# Altium PCB AMC_Box_Mainboard.PcbDoc (part 4 of 8)
Units mil, origin at the board's own origin, x right, y up, seen from the top; angles counter-clockwise.
Board outline 2795.28 x 7874.02 mil, 4 copper layers (TOP, GND, PWR, BTM), stack 63.701 mil thick; 505 components, 378 nets, 1991 pads, 997 vias.
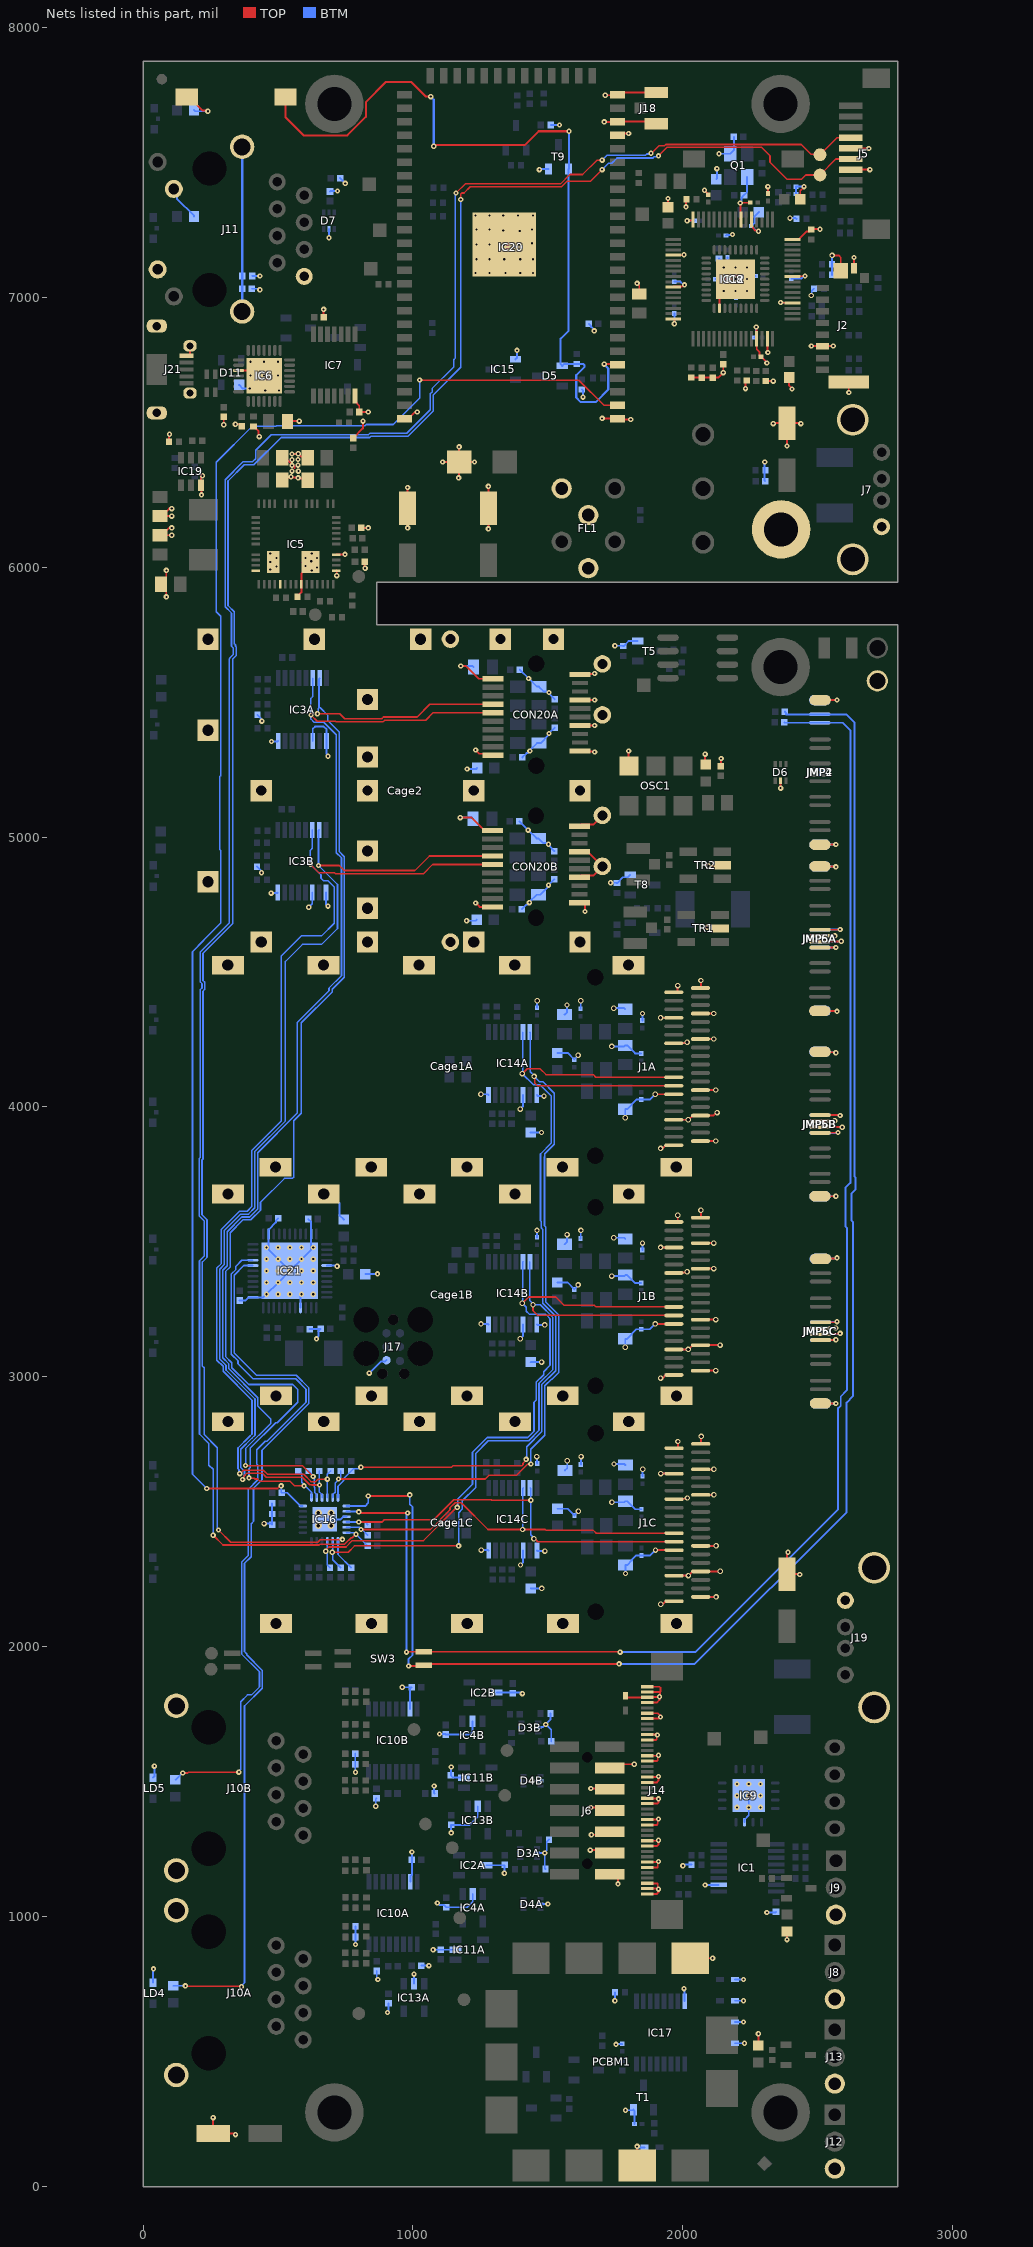
[diagram p6: the nets of this part, all layers, seen from the top]

## Via types
v1: diameter 19.68, hole 7.87, TOP to BTM, tented both sides, 751 vias
v2: diameter 20.08, hole 11.81, TOP to BTM, tented both sides, 162 vias
v3: diameter 19.68, hole 7.87, TOP to BTM, 43 vias
v4: diameter 31.5, hole 15.75, TOP to BTM, tented both sides, 36 vias
v5: diameter 25.98, hole 12.99, TOP to BTM, tented both sides, 4 vias
v6: diameter 50, hole 28, TOP to BTM, tented both sides, 1 vias

## Nets (pads, with @x,y where several pads share a name; then routed paths per layer and width w, separated by ;. In a path a pad name is that pad's centre, name@x,y a point inside that pad or via, vN(x,y) a via of type N, cw(c..) or ccw(c..) an arc to the next point about the centre after c; other vN are vias at no path point) (continued)
GND: B12.1 B18.1 C1.1 C2.2 C3.1 C4.1 C6A.1 C6B.1 C7A.1 C7B.1 C8A.1 C8B.1 C9A.1 C9B.1 C10.1 C11.2 C12.1 C13.2 C14.2 C15A.2 C15B.2 C15C.2 C16A.2 C16B.2 C16C.2 C19.1 C20.1 C21.1 C22.1 C23.1 C24.2 C25A.1 C25B.1 C25C.1 C26.2 C27.1 C28.1 C31.1 C32.1 C33A.1 C33B.1 C33C.1 C34A.2 C34B.2 C34C.2 C35A.2 C35B.2 C35C.2 C36A.2 C36B.2 C36C.2 C37A.2 C37B.2 C37C.2 C38A.2 C38B.2 C38C.2 C39A.2 C39B.2 C39C.2 C40A.2 C40B.2 C40C.2 C41A.2 C41B.2 C41C.2 C42.1 C43.2 C44.1 C45A.2 C45B.2 C46A.2 C46B.2 C47A.2 C47B.2 C48A.1 C48B.1 C49A.2 C49B.2 C50A.2 C50B.2 C51A.2 C51B.2 C52A.2 C52B.2 C53.1 C54.1 C55.1 C56.1 C57.1 C58.1 C59.1 C60.1 C61.1 C64.1 C65.1 C66.1 C67A.1 C67B.1 C68.1 C69.1 C72A.2 C72B.2 C73.1 C78.1 C79.1 C80.1 C81.1 C83.1 C88A.2 C88B.2 C93.1 C94.1 C97.1 C98.2 C99.2 C100.1 C101.1 C102.1 C103.1 C104.1 C105.1 C106.1 C107.1 C108.1 C109.1 C110.1 C113.1 C114.1 C115.1 C116.2 C117.1 C118.2 C175.1 Cage1A.1 Cage1A.2 Cage1A.3 Cage1A.4 Cage1A.5 Cage1A.6 Cage1A.7 Cage1A.8 Cage1A.9 Cage1A.10 Cage1B.1 Cage1B.2 Cage1B.3 Cage1B.4 Cage1B.5 Cage1B.6 Cage1B.7 Cage1B.8 Cage1B.9 Cage1B.10 Cage1C.1 Cage1C.2 Cage1C.3 Cage1C.4 Cage1C.5 Cage1C.6 Cage1C.7 Cage1C.8 Cage1C.9 Cage1C.10 Cage2.1 Cage2.2 Cage2.3 Cage2.4 Cage2.5 Cage2.6 Cage2.7 Cage2.8 Cage2.9 Cage2.10 Cage2.11 Cage2.12 Cage2.13 Cage2.14 Cage2.15 Cage2.16 Cage2.17 Cage2.18 Cage2.19 Cage2.20 Cage2.21 Cage2.22 Cage2.23 Cage2.24 Cage2.25 CON20A.1 CON20A.10 CON20A.11 CON20A.14 CON20A.17 CON20A.20 CON20B.1 CON20B.10 CON20B.11 CON20B.14 CON20B.17 CON20B.20 D3A.2 D3B.2 D4A.2 D4B.2 D6.2 D7.2 D9.2 D11.1 D15.2 D16.2 D17.2 D18.2 D19.2 D20.2 FL1.4 IC1.10 IC2A.2 IC2B.2 IC3A.1 IC3A.3 IC3A.8 IC3B.1 IC3B.3 IC3B.8 IC4A.2 IC4B.2 IC5.26 IC5.31 IC5.35 IC5.42 IC5.45 IC5.53 IC5.54 IC6.3 IC6.29 IC7.7 IC8.11 IC8.37 IC9.7 IC9.17 IC10A.15 IC10B.15 IC11A.2 IC11B.2 IC12.4 IC12.10 IC12.16 IC12.29 IC12.31 IC12.36 IC12.41 IC12.48 IC12.53 IC12.55 IC12.64 IC13A.2 IC13B.2 IC14A.1 IC14A.3 IC14A.8 IC14B.1 IC14B.3 IC14B.8 IC14C.1 IC14C.3 IC14C.8 IC15.1 IC16.9 IC16.25 IC17.8 IC19.3 IC20.GND1 IC20.GND2 IC20.GND3 IC20.GND4 IC20.GND5 IC20.GND6 IC21.5 IC21.15 IC21.23 IC21.35 IC21.43 IC21.45 J1A.1 J1A.4 J1A.7 J1A.13 J1A.16 J1A.19 J1A.20 J1A.23 J1A.26 J1A.32 J1A.35 J1A.38 J1B.1 J1B.4 J1B.7 J1B.13 J1B.16 J1B.19 J1B.20 J1B.23 J1B.26 J1B.32 J1B.35 J1B.38 J1C.1 J1C.4 J1C.7 J1C.13 J1C.16 J1C.19 J1C.20 J1C.23 J1C.26 J1C.32 J1C.35 J1C.38 J2.6 J2.G1 J2.G2 J2.G3 J5.4 J5.6 J6.1 J6.3 J6.5 J6.7 J6.9 J6.11 J7.4 J7.5 J8.3 J9.3 J10A.SHIELD J10B.SHIELD J11.8 J11.D2 J11.D4 J12.3 J13.3 J14.1 J14.2 J14.3 J14.6 J14.7 J14.10 J14.11 J14.14 J14.15 J14.18 J14.19 J14.22 J14.23 J14.26 J14.27 J14.30 J14.31 J14.34 J14.35 J14.37 J14.38 J14.39 J14.40 J17.6 J18.2 J19.4 J19.5 J21.5 J21.6 JMP2.1 JMP2.14 JMP4.1 JMP4.14 JMP5A.1 JMP5A.6 JMP5A.7 JMP5A.8 JMP5A.9 JMP5A.14 JMP5B.1 JMP5B.6 JMP5B.7 JMP5B.8 JMP5B.9 JMP5B.14 JMP5C.1 JMP5C.6 JMP5C.7 JMP5C.8 JMP5C.9 JMP5C.14 JMP6A.1 JMP6A.6 JMP6A.7 JMP6A.8 JMP6A.9 JMP6A.14 JMP6B.1 JMP6B.6 JMP6B.7 JMP6B.8 JMP6B.9 JMP6B.14 JMP6C.1 JMP6C.6 JMP6C.7 JMP6C.8 JMP6C.9 JMP6C.14 LD4.1 LD5.1 OSC1.3 PB2.2 PCBM1.1 PCBM1.10 Q1.2 Q1.4 R18A.2 R18B.2 R19A.2 R19B.2 R25.1 R27.2 R32.1 R33.2 R34.2 R38.2 R45.2 R47.2 R48.2 R50.2 R52A.1 R52B.1 R54.1 R56.2 R58.2 R61.2 R69.1 R73.1 R82A.1 R82B.1 R84A.1 R84B.1 R95.1 R98.2 R99.2 R100.2 R101.2 R103.2 R105.1 R110.1 R111.1 R194.1 R195.1 T1.2 T5.2 T8.2 T9.2 TR1.2 TR2.2 | length 21572.8
  TOP w7: C94.1@62.99,6118.11 C94.1@68.9,6118.11 ; v1(86.61,5889.76) 86.07,5890.31 86.07,5917.87 C97.1@66.93,5937.01 86.07,5956.15 86.07,5987.64 v1(86.61,5988.19) ; R95.1@96.06,6464.57 96.06,6489.76 v1(98.43,6492.13) ; v1(106.3,6118.11) C94.1@68.9,6118.11 ; v1(106.3,6145.67) 96.46,6145.67 C94.1@68.9,6118.11 ; v1(106.3,6188.98) C93.1@68.9,6188.98 ; v1(106.3,6216.54) 96.46,6216.54 C93.1@68.9,6188.98 ; J21.5@161.42,6783.46 169.84,6783.46 174.21,6787.84 J21.6@174.21,6819.88 ; PB2.2@161.55,7741.82 171.39,7741.82 221.81,7691.4 237.73,7691.4 v1(240.16,7688.98) ; v1(216.54,6267.72) 216.54,6301.57 IC19.3@214.96,6303.15 214.96,6334.48 219.06,6338.58 v1(220.47,6338.58) ; v1(259.84,255.91) C11.2@259.84,196.85 338.58,196.85 v1(342.52,192.91) ; v1(299.21,6527.56) C116.2@299.21,6557.09 ; v1(342.18,6529.47) 358.32,6529.47 C117.1@366.14,6521.65 ; IC6.3@354.33,6728.35 429.13,6728.35 IC6.29@448.82,6708.66 ; R110.1@409.45,6520.87 410.24,6520.87 428.29,6502.81 428.29,6486.01 v1(430.72,6483.58) ; C56.1@515.75,6322.83 525.1,6332.19 v1@545.77,6332.19 ; C27.1@515.75,6405.51 527.56,6405.51 561.02,6372.05 561.02,6366.14 ; C1.1@535.43,6539.37 536.84,6540.78 v1(578.74,6540.78) ; v1(548.23,6334.65) v1@545.77,6332.19 ; v1(552,6377) 556.54,6377 561.02,6372.51 ; v1@553.38,6414.41 551.18,6416.61 551.18,6418.18 v1(552,6419) 574,6419 v1(575,6420) 585.55,6409.45 606.3,6409.45 C59.1@610.24,6405.51 ; R25.1@572.05,5890.75 572.05,5891.54 586.61,5906.11 IC5.35@586.61,5936.02 586.61,5976.38 620.57,6010.34 IC5.53@620.57,6018.7 ; C58.1@610.24,6321.85 604.26,6327.83 577.68,6327.83 v1(574.8,6330.71) 571.96,6327.86 567.63,6332.19 v1@545.77,6332.19 ; C21.1@669.29,6925.2 v1(669.29,6954.96) ; IC5.42@716.54,5987.2 717.6,5986.14 v1(717.6,5968.5) ; IC5.45@716.54,6046.26 747.05,6046.26 v1(748.03,6047.24) ; C64.1@779.53,6478.35 814.96,6513.78 v1(814.96,6540.78) ; IC7.7@785.43,6633.86 785.43,6614.17 801.18,6598.43 C118.2@801.18,6574.8 v1(834.65,6574.8) ; C60.1@809.05,6146.66 810.04,6145.67 v1(834.65,6145.67) ; C19.1@820.87,6020.67 820.87,5998.03 v1(822.83,5996.06) ; IC20.GND5@961.9,6557 IC20.GND5@968.5,6550.39 982.5,6550.39 1004.68,6572.57 1013.57,6572.57 v1(1016,6575) ; v1(980.32,6145.67) C14.2@980.32,6218.5 v1(980.32,6295.28) ; v1(1110.24,6389.76) D9.2@1171.26,6389.76 ; v1(1169.29,6330.71) 1171.26,6332.68 D9.2@1171.26,6389.76 ; v1(1171.26,6445.43) D9.2@1171.26,6389.76 ; v1(1175.39,5071.89) 1217.52,5071.89 1264.96,5024.45 CON20B.1@1294.49,5024.45 ; v1(1177.17,5633.86) 1177.9,5633.12 1197.51,5633.12 1244.21,5586.42 CON20A.1@1296.26,5586.42 ; v1(1228.35,6389.76) D9.2@1171.26,6389.76 ; v1(1232.28,4755.91) 1247.2,4740.98 CON20B.10@1294.49,4740.98 ; v1(1232.28,5322.83) 1246.39,5308.73 1290.48,5308.73 CON20A.10@1296.26,5302.95 ; v1(1279.53,6141.73) C13.2@1279.53,6218.5 v1(1279.53,6299.21) ; CON20B.11@1617.32,4756.73 1631.45,4756.73 1637.8,4750.39 v1(1637.8,4724.41) ; CON20B.14@1617.32,4851.22 1623.06,4856.96 1667.19,4856.96 Cage2.20@1701.77,4891.54 1701.02,4891.54 1646.85,4945.71 CON20B.17@1617.32,4945.71 ; CON20B.20@1617.32,5040.2 1623.06,5045.93 1667.19,5045.93 Cage2.19@1701.77,5080.51 ; CON20A.11@1619.09,5318.7 1620.96,5316.83 1671.36,5316.83 v1(1673.23,5314.96) ; CON20A.14@1619.09,5413.19 1619.19,5413.29 1673.13,5413.29 v1(1673.23,5413.39) ; CON20A.17@1619.09,5507.68 1619.19,5507.78 1673.13,5507.78 v1(1673.23,5507.87) ; CON20A.20@1619.09,5602.17 1621.16,5604.23 1671.16,5604.23 v1(1673.23,5606.3) ; v1(1657,1247) 1718.55,1247 J6.3@1729.33,1236.22 ; v1(1659,1405) 1718.03,1405 J6.7@1729.33,1393.7 ; v1(1659,1475) 1726.77,1475 J6.9@1729.33,1472.44 ; v1(1661,1304) 1718.37,1304 J6.5@1729.33,1314.96 ; v1(1700.79,6551.18) 1757.72,6551.18 IC20.GND4@1758.5,6550.39 1761.65,6547.24 v1(1807.09,6547.24) ; v1(1708.66,7649.61) 1757.72,7649.61 IC20.GND2@1758.5,7650.39 1893.9,7650.39 J18.2@1901.57,7642.72 ; v1(1712.6,7748.03) 1756.14,7748.03 IC20.GND1@1758.5,7750.39 1766.97,7758.86 J18.2@1901.57,7758.86 ; J6.1@1729.33,1157.48 1743.66,1157.48 1759.84,1141.3 v1(1759.84,1122.05) ; J6.11@1729.33,1551.18 1737.2,1551.18 1751.28,1565.26 v1(1819.88,1565.26) ; IC20.GND3@1758.5,7600.39 1764.41,7606.3 v1(1799.21,7606.3) ; D15.2@1787.4,1818.9 1793.31,1812.99 J14.38@1868.11,1812.99 1869.09,1813.98 1912.4,1813.98 v1(1913.39,1814.96) ; v1(1799.21,5318.9) 1799.21,5264.57 OSC1.3@1800,5263.78 ; PCBM1.10@1830.71,78.74 v1(1830.71,149.61) ; v1(1830.71,7051.18) 1838.58,7043.31 C43.2@1838.58,7011.81 ; J14.1@1868.11,1084.65 1903.54,1084.65 1909.45,1090.55 v1(1909.45,1102.36) v1@1907.48,1104.33 ; J14.2@1868.11,1104.33 v1@1907.48,1104.33 ; J14.3@1868.11,1124.02 1905.35,1124.02 1907.02,1122.34 1907.02,1104.79 v1@1907.48,1104.33 ; J14.6@1868.11,1183.07 1905.35,1183.07 1907.02,1184.74 1907.02,1202.3 v1@1907.48,1202.76 ; J14.7@1868.11,1202.76 v1@1907.48,1202.76 ; J14.10@1868.11,1261.81 1903.54,1261.81 1909.45,1267.72 v1(1909.45,1283.46) 1907.48,1281.5 J14.11@1868.11,1281.5 ; J14.14@1868.11,1340.55 1903.54,1340.55 1907.02,1344.03 1907.02,1359.78 v1@1907.48,1360.24 ; J14.15@1868.11,1360.24 v1@1907.48,1360.24 ; J14.18@1868.11,1419.29 1905.35,1419.29 1909.45,1423.39 v1(1909.45,1437.01) 1908.46,1437.99 1878.94,1437.99 1877.95,1437.01 1875.98,1438.98 J14.19@1868.11,1438.98 ; J14.22@1868.11,1498.03 1903.54,1498.03 1909.45,1503.94 v1(1909.45,1519.69) 1907.48,1517.72 J14.23@1868.11,1517.72 ; J14.26@1868.11,1576.77 1903.54,1576.77 1907.02,1580.25 1907.02,1596 v1@1907.48,1596.46 ; J14.27@1868.11,1596.46 v1@1907.48,1596.46 ; J14.30@1868.11,1655.51 1901.41,1655.51 1903.08,1657.19 1903.08,1670.8 v1(1905.51,1673.23) 1903.54,1675.2 J14.31@1868.11,1675.2 ; J14.34@1868.11,1734.25 1907.98,1734.25 1913.89,1740.16 v1(1917.32,1740.16) 1917.32,1744.09 1907.48,1753.94 J14.35@1868.11,1753.94 ; J14.37@1868.11,1793.31 1903.54,1793.31 1913.39,1803.15 v1(1913.39,1814.96) ; J14.39@1868.11,1832.68 1913.67,1832.68 1915.81,1834.82 ; J14.40@1868.11,1852.36 1913.22,1852.36 1917.32,1848.26 1917.32,1836.33 1915.81,1834.82 ; v2(1897.64,4047.24) 1897.75,4047.13 1966.28,4047.13 J1A.13@1966.4,4047.01 ; v2(1897.75,3196.53) 1897.87,3196.42 1966.4,3196.42 J1B.13@1966.52,3196.3 ; v2(1898.56,2358.5) 1898.68,2358.38 1967.21,2358.38 J1C.13@1967.33,2358.27 ; v1(1909.45,1204.72) v1@1907.48,1202.76 ; v1(1909.45,1362.2) v1@1907.48,1360.24 ; v1(1909.45,1598.43) v1@1907.48,1596.46 ; v2(1917.32,3846.46) 1924.84,3846.46 1936.42,3858.03 J1A.19@1966.4,3858.03 ; v2(1917.32,4330.71) 1917.44,4330.59 1966.28,4330.59 J1A.4@1966.4,4330.47 ; v2(1917.44,2995.75) 1924.96,2995.75 1936.54,3007.32 J1B.19@1966.52,3007.32 ; v2(1917.44,3480) 1917.56,3479.88 1966.4,3479.88 J1B.4@1966.52,3479.77 ; v2(1918.25,2157.71) 1925.77,2157.71 1937.34,2169.29 J1C.19@1967.33,2169.29 ; v2(1918.25,2641.97) 1918.36,2641.85 1967.21,2641.85 J1C.4@1967.33,2641.73 ; C65.1@1944.88,7332.68 1945,7332.8 v1(1945,7366) ; IC12.16@1964.04,6919.29 1966.5,6919.29 1968.5,6917.29 v1(1968.5,6901.57) ; IC12.10@1964.04,7037.4 1966.04,7039.4 1996.69,7039.4 2002.88,7045.59 v1(2006.32,7045.59) ; IC12.4@1964.04,7155.51 2001.97,7155.51 v1(2003.94,7157.48) ; J1A.16@1966.4,3952.52 1966.52,3952.64 2019.57,3952.64 v2(2019.69,3952.76) 2020.42,3952.76 2035.94,3968.27 2112.13,3968.27 2123.31,3979.45 v2(2126.85,3979.45) ; J1A.7@1966.4,4235.99 1967.7,4237.28 2009.34,4237.28 2012.21,4240.16 v2(2015.75,4240.16) ; J1A.1@1966.4,4424.96 1977.65,4424.96 1980.78,4428.09 v2(1980.78,4449.57) ; J1B.16@1966.52,3101.81 1966.64,3101.93 2019.69,3101.93 v2(2019.8,3102.05) 2020.54,3102.05 2036.06,3117.56 J1B.23@2065.34,3117.56 2065.45,3117.68 2137.8,3117.68 v2(2137.91,3117.79) ; J1B.7@1966.52,3385.28 1967.82,3386.57 2009.45,3386.57 2012.33,3389.45 v2(2015.86,3389.45) ; J1B.1@1966.52,3574.25 1977.77,3574.25 1980.9,3577.39 v2(1980.9,3598.86) ; J1C.16@1967.33,2263.78 1967.44,2263.9 2020.49,2263.9 v2(2020.61,2264.01) 2021.35,2264.01 2036.86,2279.53 J1C.23@2066.14,2279.53 2066.26,2279.64 2138.6,2279.64 v2(2138.72,2279.76) ; J1C.7@1967.33,2547.24 1968.62,2548.54 2010.26,2548.54 2013.13,2551.41 v2(2016.67,2551.41) ; J1C.1@1967.33,2736.22 1978.57,2736.22 1981.71,2739.35 v2(1981.71,2760.83) ; v1(2011.81,7334.65) 2011.81,7361.02 R27.2@2012.99,7362.2 ; v1(2015.75,7283.46) 2035.4,7283.46 2037.4,7285.46 IC12.64@2037.4,7287.93 ; PCBM1.1@2027.56,846.46 v1(2110.24,846.46) ; R34.2@2031.5,6701.97 2131.1,6701.97 v1(2149.61,6720.47) 2149.61,6751.89 C55.1@2150,6752.28 ; J1A.20@2065.22,3873.78 2065.34,3873.9 2121.93,3873.9 v2(2122.05,3874.02) ; J1A.26@2065.22,4062.76 2065.34,4062.88 2121.93,4062.88 v2(2122.05,4062.99) ; J1A.32@2065.22,4251.73 2065.34,4251.85 2114.06,4251.85 v2(2114.17,4251.97) ; J1A.35@2065.22,4346.22 2113.94,4346.22 v2(2114.17,4346.46) ; J1A.38@2065.22,4440.71 2066.93,4442.42 v2(2066.93,4468.5) ; J1B.20@2065.34,3023.07 2065.45,3023.19 2122.05,3023.19 v2(2122.16,3023.31) ; J1B.26@2065.34,3212.05 2065.45,3212.17 2122.05,3212.17 v2(2122.16,3212.28) ; J1B.32@2065.34,3401.03 2065.45,3401.14 2114.17,3401.14 v2(2114.29,3401.26) ; J1B.35@2065.34,3495.51 2114.06,3495.51 v2(2114.29,3495.75) ; J1B.38@2065.34,3590 2067.05,3591.71 v2(2067.05,3617.79) ; J1C.20@2066.14,2185.04 2066.26,2185.16 2122.85,2185.16 v2(2122.97,2185.27) ; J1C.26@2066.14,2374.02 2066.26,2374.13 2122.85,2374.13 v2(2122.97,2374.25) ; J1C.32@2066.14,2562.99 2066.26,2563.11 2114.98,2563.11 v2(2115.1,2563.23) ; J1C.35@2066.14,2657.48 2114.86,2657.48 v2(2115.1,2657.71) ; J1C.38@2066.14,2751.97 2067.85,2753.68 v2(2067.85,2779.76) ; v1(2080.21,7396.25) 2080.21,7395.18 2094.49,7380.91 C53.1@2094.49,7379.92 ; v1(2082.68,5307.09) 2082.68,5271.06 C3.1@2085.04,5268.7 ; v1(2090.55,4665.35) 2133.66,4665.35 TR1.2@2137.6,4661.42 ; v1(2094.49,4893.7) 2143.31,4893.7 TR2.2@2145.28,4895.67 ; IC8.11@2135.83,6958.66 2135.83,7007.87 v3(2151.57,7023.62) v3(2194.88,7066.93) ; C4.1@2140.16,5262.8 2141.73,5264.37 v1(2141.73,5291.34) ; IC12.55@2214.57,7287.93 2213.58,7288.91 2213.58,7348.23 v1(2212.6,7349.21) 2213.19,7349.8 2249.41,7349.8 C100.1@2250,7350.39 ; v1(2232.28,6661.42) 2232.28,6687.4 R50.2@2236.22,6691.34 ; IC12.53@2253.94,7287.93 2253.94,7264.43 2259.9,7258.47 2259.9,7255.52 2268.61,7246.81 2277.52,7246.81 v1(2279.95,7244.39) ; v1(2271.65,6889.76) 2272.64,6888.78 2272.64,6846.91 IC12.29@2273.62,6845.93 2273.62,6806.43 2284.01,6796.04 2284.01,6783.9 2288.39,6779.53 C106.1@2289.37,6779.53 2290.35,6779.53 2311.02,6758.86 v1(2311.02,6755.91) ; C115.1@2279.53,523.62 v1(2279.53,566.93) ; R58.2@2307.09,6690.16 2308.27,6688.98 v1(2334.65,6688.98) ; IC12.31@2312.99,6845.93 2312.99,6797.24 v1(2314.96,6795.28) ; C57.1@2314.96,7383.86 v1(2314.96,7409.45) ; v1(2334.65,6531.5) 2336.61,6533.46 C99.2@2385.83,6533.46 ; v1(2362.2,5181.1) D6.2@2362.2,5208.66 ; v1(2362.2,6980.32) 2363.19,6979.33 2405.06,6979.33 IC12.36@2406.04,6978.35 ; v1(2385.83,915.35) C114.1@2385.83,944.88 ; v1(2385.83,6448.82) C99.2@2385.83,6533.46 ; v1(2389.76,2350.39) 2385.83,2346.46 C98.2@2385.83,2269.69 2431.1,2269.69 v1(2433.07,2267.72) ; C32.1@2393.7,6702.76 2393.7,6672.57 2404,6662.27 v1(2404,6660) ; IC12.41@2406.04,7076.77 2407.02,7077.76 2451.77,7077.76 v1(2452.76,7078.74) ; IC12.48@2406.04,7214.57 2429.54,7214.57 2457.84,7242.87 2468.46,7242.87 R32.1@2476.38,7250.79 2477.56,7251.97 v1(2507.87,7251.97) ; C104.1@2435.04,7362.2 2435.04,7394.46 2448.82,7408.24 v1(2448.82,7409.45) ; v1(2437.01,6531.5) 2435.04,6533.46 C99.2@2385.83,6533.46 ; v1(2476,6819) 2515.69,6819 J2.6@2517,6817.69 2518.31,6819 v1(2557,6819) ; JMP6A.1@2507.01,4355.91 2507.8,4355.12 2570.08,4355.12 v1(2570.87,4354.33) ; JMP6B.1@2507.87,3669.29 v1(2566.93,3669.29) ; JMP6A.6@2507.87,4590.55 v1(2566.93,4590.55) ; JMP6A.7@2507.87,4612.6 2585.04,4612.6 v1(2586.61,4614.17) ; JMP6A.8@2507.87,4634.65 2508.27,4634.25 2562.6,4634.25 v1(2562.99,4633.86) ; JMP6A.9@2507.87,4656.69 2581.89,4656.69 v1(2582.68,4657.48) ; JMP6A.14@2507.87,4891.34 2508.66,4890.55 2566.14,4890.55 v1(2566.93,4889.76) ; JMP2.1@2507.87,4972.05 2508.07,4972.24 2566.73,4972.24 v1(2566.93,4972.44) ; JMP6B.6@2508.74,3903.94 2509.53,3904.72 2574.02,3904.72 v1(2574.8,3905.51) ; JMP6B.7@2508.74,3925.98 2589.76,3925.98 v1(2590.55,3925.2) ; JMP6B.8@2508.74,3948.03 2509.13,3948.43 2562.6,3948.43 v1(2562.99,3948.82) ; JMP6B.9@2508.74,3970.08 2581.1,3970.08 v1(2582.68,3968.5) ; JMP6B.14@2508.74,4204.72 2510.71,4202.76 2564.96,4202.76 v1(2566.93,4200.79) ; JMP2.14@2508.74,5507.48 2508.94,5507.68 2570.67,5507.68 v1(2570.87,5507.87) ; JMP6C.1@2509.66,2901.81 2509.78,2901.69 2566.81,2901.69 v1(2566.93,2901.57) ; JMP6C.6@2510.53,3136.45 2511.2,3137.12 2566.26,3137.12 v1(2566.93,3137.8) ; JMP6C.7@2510.53,3158.5 2511.83,3159.8 2581.06,3159.8 v1(2582.68,3161.42) ; JMP6C.8@2510.53,3180.55 2566.38,3180.55 v1(2566.93,3181.1) ; JMP6C.9@2510.53,3202.6 2568.74,3202.6 v1(2570.87,3204.72) ; JMP6C.14@2510.53,3437.24 2512.38,3439.09 2569.01,3439.09 v1(2570.87,3440.94) ; v2(2553,7155) 2577,7155 2584.91,7147.09 J2.G2@2584.91,7098.2 ; J2.G1@2614.64,6685.8 2614.64,6647.36 v1(2615,6647) ; J5.4@2622.05,7472.44 v1(2692.91,7472.44) ; J5.6@2622.05,7551.18 v1(2688.98,7551.18) ; v1(2634,7147) 2634,7107.19 J2.G3@2634.13,7107.06 ; C93.1@68.9,6188.98 C93.1@62.99,6188.98 C93.1@68.9,6188.98 ; v1(1913.39,1814.96) 1915.81,1817.39 1915.81,1834.82
  BTM w7: LD4.1@37,756.37 37,805 v1(39,807) ; LD5.1@37,1515.37 42,1520.37 v1(42,1558) ; J11.D2@114.24,7400.97 125.71,7389.5 125.71,7364.45 188.98,7301.18 R61.2@188.98,7299.21 ; R56.2@188.98,7692.91 192.91,7688.98 v1(240.16,7688.98) ; D11.1@356.3,6675.2 370.08,6661.42 v1(395.67,6661.42) ; C42.1@358,3283.28 380.7,3283.28 392,3294.57 IC21.23@407.19,3294.57 445.57,3294.57 v3(457.39,3306.39) v3(500.69,3349.69) v3(544,3393) ; C24.2@403.54,7031.5 429.13,7031.5 v1(433.07,7027.56) ; R33.2@404.75,7078.69 404.8,7078.74 v1(433.07,7078.74) ; R52B.1@422.64,4890.79 422.64,4890 436.23,4876.41 436.23,4870.03 v1(438.66,4867.6) ; R52A.1@424.41,5452.76 424.41,5451.97 438,5438.37 438,5432 v1(440.43,5429.57) ; v2(448.82,2456.69) 474.41,2456.69 C175.1@478.35,2452.76 R194.1@478.35,2492.13 R195.1@478.35,2531.5 ; v1(474.61,4792.36) 497.24,4792.36 IC3B.8@499.21,4794.33 ; v1(476.38,5354.33) 499.02,5354.33 IC3A.8@500.98,5356.3 ; C44.1@500.72,3588 492.01,3579.3 492.01,3572.31 465.26,3545.56 IC21.35@465.26,3529.81 465.26,3471.74 v3(500.69,3436.31) v3(544,3393) ; IC21.15@583.37,3256.19 583.37,3302.45 v3(587.31,3306.39) ; C61.1@612.28,3585 622.74,3574.54 IC21.43@622.74,3529.81 622.74,3471.74 v3(587.31,3436.31) v3(544,3393) ; v1(614.17,4740.16) 627.17,4753.15 IC3B.3@627.17,4794.33 ; C28.1@617,3177 C12.1@657.28,3177 ; IC3A.3@628.94,5356.3 628.94,5400.59 637.8,5409.45 669.29,5409.45 680.12,5398.62 IC3A.1@680.12,5356.3 680.12,5307.57 685.04,5302.65 v1(685.04,5299.21) ; v1(643,3141) 643,3144.43 649.58,3151.01 649.58,3169.3 C12.1@657.28,3177 ; C12.1@658.28,3178 C12.1@657.28,3177 ; Cage1B.2@669.41,3677.6 694.01,3677.6 727.81,3643.8 727.81,3598.7 743.02,3583.5 C10.1@744,3583.5 ; IC16.25@673.23,2472.44 732.5,2472.44 742.34,2482.28 IC16.9@753.94,2482.28 ; IC3B.1@678.35,4794.33 678.35,4750.79 v1(685.04,4744.09) ; IC21.5@680.81,3412.69 681.35,3412.14 717.35,3412.14 v1(719.4,3410.1) ; v1(688.98,7220.47) D7.2@688.98,7252.36 ; C54.1@692.91,7391.73 694.88,7393.7 v1(720.47,7393.7) ; C20.1@730.31,7440.94 v1(749.48,7421.78) ; R18B.2@786.22,1604.33 R19B.2@786.22,1564.96 786.22,1536.61 v1(787.4,1535.43) ; v1(787.4,897.64) R19A.2@787.4,925.2 R18A.2@787.4,964.57 ; C2.2@823.5,3381 824.5,3382 v1(869,3382) ; v1(838,3014) 839,3014 882.39,3057.39 897.39,3057.39 J17.6@902,3062 ; v1(862.2,1409.45) 862.2,1436.22 C88B.2@864.96,1438.98 ; C88A.2@866.14,799.21 866.14,771.65 v1(870.08,767.72) ; v1(905.51,645.67) 909.45,649.61 C7A.1@909.45,679.13 ; v1(960.63,1850.39) C67B.1@994.88,1850.39 989.17,1844.69 IC10B.15@989.17,1769.69 ; IC10A.15@990.35,1129.92 990.35,1149.61 996.06,1155.32 C67A.1@996.06,1210.63 v1(996.06,1240.16) ; IC13A.2@1003.94,751.97 v1(1003.94,787.4) ; C72A.2@1031.5,818.9 v1(1059.06,818.9) ; v1(1074.8,877.95) C8A.1@1102.36,877.95 IC11A.2@1157.48,877.95 ; v1(1078.74,1484.25) 1078.74,1458.66 C72B.2@1080.71,1456.69 ; v1(1090.55,1051.18) 1097.59,1044.14 1114.52,1044.14 C9A.1@1123.23,1035.43 1200.79,1035.43 1221.65,1056.3 IC4A.2@1221.65,1084.65 ; v1(1098.43,1677.17) 1120.08,1677.17 C9B.1@1122.05,1675.2 1210.63,1675.2 1220.47,1685.04 IC4B.2@1220.47,1724.41 ; v1(1141.73,1311.02) C7B.1@1141.73,1340.55 1210.63,1340.55 1240.16,1370.08 IC13B.2@1240.16,1409.45 ; v1(1141.73,1555.12) 1141.73,1524.8 C8B.1@1140.55,1523.62 1148.43,1515.75 IC11B.2@1188.98,1515.75 ; v1(1175.39,5071.89) 1218.7,5071.89 C47B.2@1222.64,5067.95 ; v1(1177.17,5633.86) 1220.47,5633.86 C47A.2@1224.41,5629.92 ; v1(1199.02,4690) 1232.48,4690 C48B.1@1236.42,4693.94 ; v1(1200.79,5251.97) 1234.25,5251.97 C48A.1@1238.19,5255.91 ; v2(1251.97,4047.24) 1277.39,4047.24 IC14A.8@1279.59,4045.04 ; v2(1252.09,3196.53) 1277.5,3196.53 IC14B.8@1279.71,3194.33 ; v2(1252.89,2358.5) 1278.31,2358.5 IC14C.8@1280.51,2356.3 ; IC2A.2@1272.83,1190.94 1339.76,1190.94 1338.58,1189.76 v1(1338.58,1161.42) ; IC2B.2@1311.02,1830.71 1401.57,1830.71 v1(1405.51,1826.77) ; IC15.1@1379.92,6769.69 1385.25,6775.02 v1(1385.25,6803.15) ; C50B.2@1393.9,5058.11 1426.38,5025.63 v1(1426.82,5025.63) 1427.36,5025.63 1457.87,4995.12 C51B.2@1464.76,4995.12 1481.93,4977.95 1494.25,4977.95 1498.73,4973.46 v1(1502.17,4973.46) 1504.59,4971.04 1504.59,4967.1 C52B.2@1523.82,4947.87 ; C50A.2@1395.67,5620.08 1428.15,5587.6 v1(1428.59,5587.6) 1429.13,5587.6 1459.65,5557.09 C51A.2@1466.54,5557.09 1483.7,5539.92 1496.02,5539.92 1500.5,5535.43 v1(1503.94,5535.43) 1506.36,5533.01 1506.36,5529.07 C52A.2@1525.59,5509.84 ; v2(1397.64,3992.13) 1407.54,4002.03 IC14A.3@1407.54,4045.04 ; v2(1397.75,3141.42) 1407.66,3151.32 IC14B.3@1407.66,3194.33 ; v2(1398.56,2303.38) 1408.46,2313.29 IC14C.3@1408.46,2356.3 ; C49B.2@1403.74,4733.31 1419.49,4749.05 1423.43,4749.05 v1(1431.3,4756.93) 1431.3,4759.88 1457.87,4786.46 C45B.2@1464.76,4786.46 1471.65,4786.46 1499.74,4814.54 1499.74,4819.46 v1(1502.17,4821.89) C46B.2@1523.82,4843.54 ; C49A.2@1405.51,5295.28 1421.26,5311.02 1425.2,5311.02 v1(1433.07,5318.9) 1433.07,5321.85 1459.65,5348.43 C45A.2@1466.54,5348.43 1473.43,5348.43 1501.51,5376.51 1501.51,5381.43 v1(1503.94,5383.86) C46A.2@1525.59,5405.51 ; C33A.1@1436.08,3905.28 1436.32,3905.51 v2(1476.38,3905.51) ; C33B.1@1436.2,3054.57 1436.43,3054.8 v2(1476.5,3054.8) ; C33C.1@1437.01,2216.54 1437.24,2216.77 v2(1477.3,2216.77) ; v1(1440.94,1503.94) D4B.2@1472.05,1503.94 ; v2(1458.61,2704.96) 1459.62,2703.95 1459.62,2680.14 C36C.2@1460.63,2679.13 ; IC14A.1@1458.72,4045.04 1463.17,4040.59 v2(1485.47,4040.59) ; IC14B.1@1458.84,3194.33 1460.57,3192.6 v2(1488.31,3192.6) ; IC14C.1@1459.65,2356.3 1461.38,2354.56 v2(1489.11,2354.56) ; v2(1459.7,3542.99) 1459.76,3542.93 C36B.2@1459.82,3517.17 C36B.2@1459.82,3517.17 ; C36A.2@1459.71,4367.88 1460.17,4368.34 1460.17,4393.24 v2(1460.63,4393.7) ; D3A.2@1459.84,1236.22 v1(1488.19,1236.22) ; D3B.2@1464.17,1700.79 1466.58,1703.19 1482.72,1703.19 v1(1492.13,1712.6) ; v1(1468.5,7472.44) 1470.47,7474.41 T9.2@1501.97,7474.41 ; D4A.2@1472.05,1047.24 v1(1500,1047.24) ; R84A.1@1491.01,1177 1488.19,1179.82 v1(1488.19,1236.22) ; R82A.1@1503.69,1285.65 1495.77,1277.74 1495.77,1247.24 1488.19,1239.65 v1(1488.19,1236.22) ; R82B.1@1509.5,1753 1509.5,1729.98 v1(1492.13,1712.6) ; R47.2@1510.63,7637.8 v1(1543.31,7637.8) ; R84B.1@1512.5,1650 1512.5,1692.22 v1(1492.13,1712.6) ; C25A.1@1534.51,4200.55 1572.89,4200.55 C35A.2@1597.5,4175.95 ; C25B.1@1534.63,3349.84 1573.01,3349.84 C35B.2@1597.62,3325.24 ; C25C.1@1535.43,2511.81 1573.82,2511.81 C35C.2@1598.43,2487.2 ; C16A.2@1562.07,4342.29 1570.87,4351.08 v2(1570.87,4377.95) ; C16B.2@1562.19,3491.58 1570.98,3500.37 v2(1570.98,3527.24) ; C16C.2@1562.99,2653.54 1571.79,2662.34 v2(1571.79,2689.21) ; C35A.2@1597.5,4174.96 C35A.2@1597.5,4175.95 ; C35B.2@1597.62,3324.25 C35B.2@1597.62,3325.24 ; C35C.2@1598.43,2486.22 C35C.2@1598.43,2487.2 ; v2(1611.91,4191.44) 1611.91,4190.35 C35A.2@1597.5,4175.95 ; v2(1612.03,3340.73) 1612.03,3339.65 C35B.2@1597.62,3325.24 ; v2(1612.83,2502.7) 1612.83,2501.61 C35C.2@1598.43,2487.2 ; C34A.2@1621.12,4363.94 1621.59,4364.4 1621.59,4393.24 v2(1622.05,4393.7) ; C34B.2@1621.24,3513.23 1621.7,3513.69 1621.7,3542.53 v2(1622.16,3542.99) ; C34C.2@1622.05,2675.2 1622.51,2675.66 1622.51,2704.5 v2(1622.97,2704.96) ; R73.1@1625.98,6658.66 1629.92,6654.72 v1(1629.92,6629.92) ; C69.1@1651.57,6901.57 1660.28,6892.87 1660.28,6889.92 1671.61,6878.59 v1(1671.61,6875.16) ; v1(1732.28,4830.71) 1754.72,4830.71 R54.1@1755.91,4829.53 1756.69,4829.53 1778.11,4850.94 1795.82,4850.94 T8.2@1805.12,4860.24 ; v2(1736.22,4224.41) 1782.77,4224.41 C41A.2@1786.48,4228.11 1793.37,4228.11 1822.9,4198.59 C15A.2@1845.53,4198.59 ; v2(1736.34,3373.7) 1782.89,3373.7 C41B.2@1786.59,3377.4 1793.48,3377.4 1823.01,3347.88 C15B.2@1845.65,3347.88 ; v2(1737.14,2535.67) 1783.7,2535.67 C41C.2@1787.4,2539.37 1794.29,2539.37 1823.82,2509.84 C15C.2@1846.46,2509.84 ; v2(1744.09,4366.14) 1782.31,4366.14 C39A.2@1786.48,4361.97 ; v2(1744.21,3515.43) 1782.42,3515.43 C39B.2@1786.59,3511.26 ; v2(1745.02,2677.4) 1783.23,2677.4 C39C.2@1787.4,2673.23 ; v1(1748.03,688.98) 1748.03,719.29 R69.1@1749.21,720.47 ; v1(1748.03,5708.66) 1778.35,5708.66 R111.1@1779.53,5707.48 1780.32,5707.48 1799.21,5726.38 T5.2@1832.68,5726.38 ; v1(1751.97,527.56) 1752.95,528.54 1774.61,528.54 C81.1@1775.59,529.53 ; v2(1786.48,3960.4) C37A.2@1786.48,3991.89 1793.37,3991.89 1810.54,4009.06 1810.54,4010.7 1827.16,4027.33 C38A.2@1845.53,4027.33 1877.72,4027.33 v2(1897.64,4047.24) ; v2(1786.59,3109.69) C37B.2@1786.59,3141.18 1793.48,3141.18 1810.65,3158.35 1810.65,3159.99 1827.28,3176.62 C38B.2@1845.65,3176.62 1877.84,3176.62 v2(1897.75,3196.53) ; v1(1787.4,283.46) 1814.96,283.46 T1.2@1816.93,285.43 1820.87,281.5 C83.1@1820.87,232.28 ; v2(1787.4,2271.65) C37C.2@1787.4,2303.15 1794.29,2303.15 1811.46,2320.32 1811.46,2321.96 1828.08,2338.58 C38C.2@1846.46,2338.58 1878.64,2338.58 v2(1898.56,2358.5) ; v1(1830.71,149.61) 1834.65,145.67 D20.2@1858.27,145.67 ; C40A.2@1849.47,4320.63 1849.93,4321.09 1849.93,4345.99 v2(1850.39,4346.46) ; C40B.2@1849.59,3469.92 1850.05,3470.38 1850.05,3495.29 v2(1850.51,3495.75) ; C40C.2@1850.39,2631.89 1850.86,2632.35 1850.86,2657.25 v2(1851.32,2657.71) ; v1(1968.5,6901.57) C68.1@1968.52,6939.36 ; C107.1@1968.54,7057.49 1990.98,7057.49 2002.88,7045.59 v1(2006.32,7045.59) ; v1(2000,1188.98) 2003.43,1188.98 2007.58,1193.13 R38.2@2031.42,1193.13 ; v1(2003.94,733.99) 2005.41,732.51 2005.41,688.48 IC17.8@2006.89,687.01 ; v1(2015.75,7283.46) C66.1@2042.88,7283.45 ; v1(2082.68,1118.11) 2083.03,1118.46 2132.25,1118.46 IC1.10@2132.6,1118.81 ; C105.1@2120.08,7066.93 v3(2151.57,7066.93) ; C79.1@2124.02,7437.01 2125.98,7438.98 v1(2125.98,7476.38) ; R103.2@2133.86,7142.91 2134.65,7142.91 2142.56,7135 2142.56,7122.68 2151.57,7113.67 v3@2151.57,7111.45 ; v1(2133.86,7531.5) Q1.4@2175.2,7531.5 2188.98,7545.28 C26.2@2188.98,7594.49 ; v3(2151.57,7110.24) v3@2151.57,7111.45 ; C80.1@2159.45,7228.35 2161.28,7230.17 2182.17,7230.17 v1(2184,7232) ; C103.1@2165.35,7147.64 2165.35,7125.23 v3@2151.57,7111.45 ; D16.2@2192.91,531.5 v1(2228.35,531.5) ; D19.2@2192.91,610.24 v1(2224.41,610.24) ; D17.2@2192.91,688.98 v1(2224.41,688.98) ; D18.2@2192.91,767.72 v1(2224.41,767.72) ; v3(2194.88,7023.62) 2195.87,7022.64 2195.87,6999.02 C102.1@2196.85,6998.03 ; v1(2212.6,7349.21) 2212.6,7352.65 2217.67,7357.72 2217.67,7369.25 C31.1@2226.38,7377.95 2238.19,7389.76 Q1.2@2238.19,7444.88 ; IC9.7@2228.35,1350.39 2228.35,1360.24 2244.09,1375.98 v3(2244.09,1405.51) v3(2244.09,1448.82) ; v3(2238.19,7066.93) 2238.52,7066.93 2250.33,7078.74 C101.1@2269.69,7078.74 ; C110.1@2253.53,7263.93 C110.1@2254.52,7263.93 ; C109.1@2265.34,6850.43 2266.33,6850.43 2270.7,6854.8 2270.7,6855.79 2271.65,6856.74 v1(2271.65,6889.76) ; v1(2279.95,7244.39) 2277.52,7246.81 2271.63,7246.81 C110.1@2254.52,7263.93 ; C108.1@2281.5,7314.96 2265.31,7298.78 2265.31,7274.72 C110.1@2254.52,7263.93 ; v1(2303.15,6389.76) 2303.15,6320.87 C73.1@2305.12,6318.9 ; v1(2311.02,1015.75) 2343.02,1015.75 C113.1@2345.2,1017.93 ; v2(2396.89,7293.23) 2418.27,7293.23 R100.2@2421.5,7290 ; C78.1@2401.54,7068.49 2439.08,7068.49 2449.32,7078.74 v1(2452.76,7078.74) ; C22.1@2419.29,7381.89 C23.1@2419.29,7409.45 v1(2448.82,7409.45) ; v2(2475.89,7006.2) 2477.52,7007.82 2477.52,7023.58 R101.2@2485.43,7031.5 ; JMP5B.1@2507.01,4204.72 2508.98,4202.76 2564.96,4202.76 v1(2566.93,4200.79) ; JMP4.1@2507.01,5507.48 2507.2,5507.68 2570.67,5507.68 v1(2570.87,5507.87) ; JMP5B.14@2507.87,3669.29 v1(2566.93,3669.29) ; JMP5B.9@2507.87,3903.94 2573.23,3903.94 v1(2574.8,3905.51) ; JMP5B.8@2507.87,3925.98 2508.27,3925.59 2590.16,3925.59 v1(2590.55,3925.2) ; JMP5B.7@2507.87,3948.03 2562.2,3948.03 v1(2562.99,3948.82) ; JMP5B.6@2507.87,3970.08 2508.66,3969.29 2581.89,3969.29 v1(2582.68,3968.5) ; JMP5A.1@2507.87,4891.34 2508.66,4890.55 2566.14,4890.55 v1(2566.93,4889.76) ; JMP4.14@2507.87,4972.05 2508.07,4972.24 2566.73,4972.24 v1(2566.93,4972.44) ; JMP5A.14@2508.74,4355.91 2509.53,4355.12 2570.08,4355.12 v1(2570.87,4354.33) ; JMP5A.9@2508.74,4590.55 v1(2566.93,4590.55) ; JMP5A.8@2508.74,4612.6 2509.53,4613.39 2585.83,4613.39 v1(2586.61,4614.17) ; JMP5A.7@2508.74,4634.65 2562.2,4634.65 v1(2562.99,4633.86) ; JMP5A.6@2508.74,4656.69 2519.45,4656.69 JMP5A.6@2522.58,4653.56 ; JMP5C.1@2508.8,3437.24 2510.65,3439.09 2569.01,3439.09 v1(2570.87,3440.94) ; JMP5C.14@2509.66,2901.81 2509.78,2901.69 2566.81,2901.69 v1(2566.93,2901.57) ; JMP5C.9@2509.66,3136.45 2565.59,3136.45 v1(2566.93,3137.8) ; JMP5C.8@2509.66,3158.5 2579.76,3158.5 v1(2582.68,3161.42) ; JMP5C.7@2509.66,3180.55 2509.94,3180.83 2566.65,3180.83 v1(2566.93,3181.1) ; JMP5C.6@2509.66,3202.6 2510.73,3203.66 2569.8,3203.66 v1(2570.87,3204.72) ; JMP5A.6@2531.5,4657.48 v1(2582.68,4657.48) ; R98.2@2552.76,7082.68 R99.2@2552.76,7122.05 2553,7122.29 v2(2553,7155)